# Altium PCB 2012_BALISE_CARTE_PRINCIPALE.PCBDOC (continued)
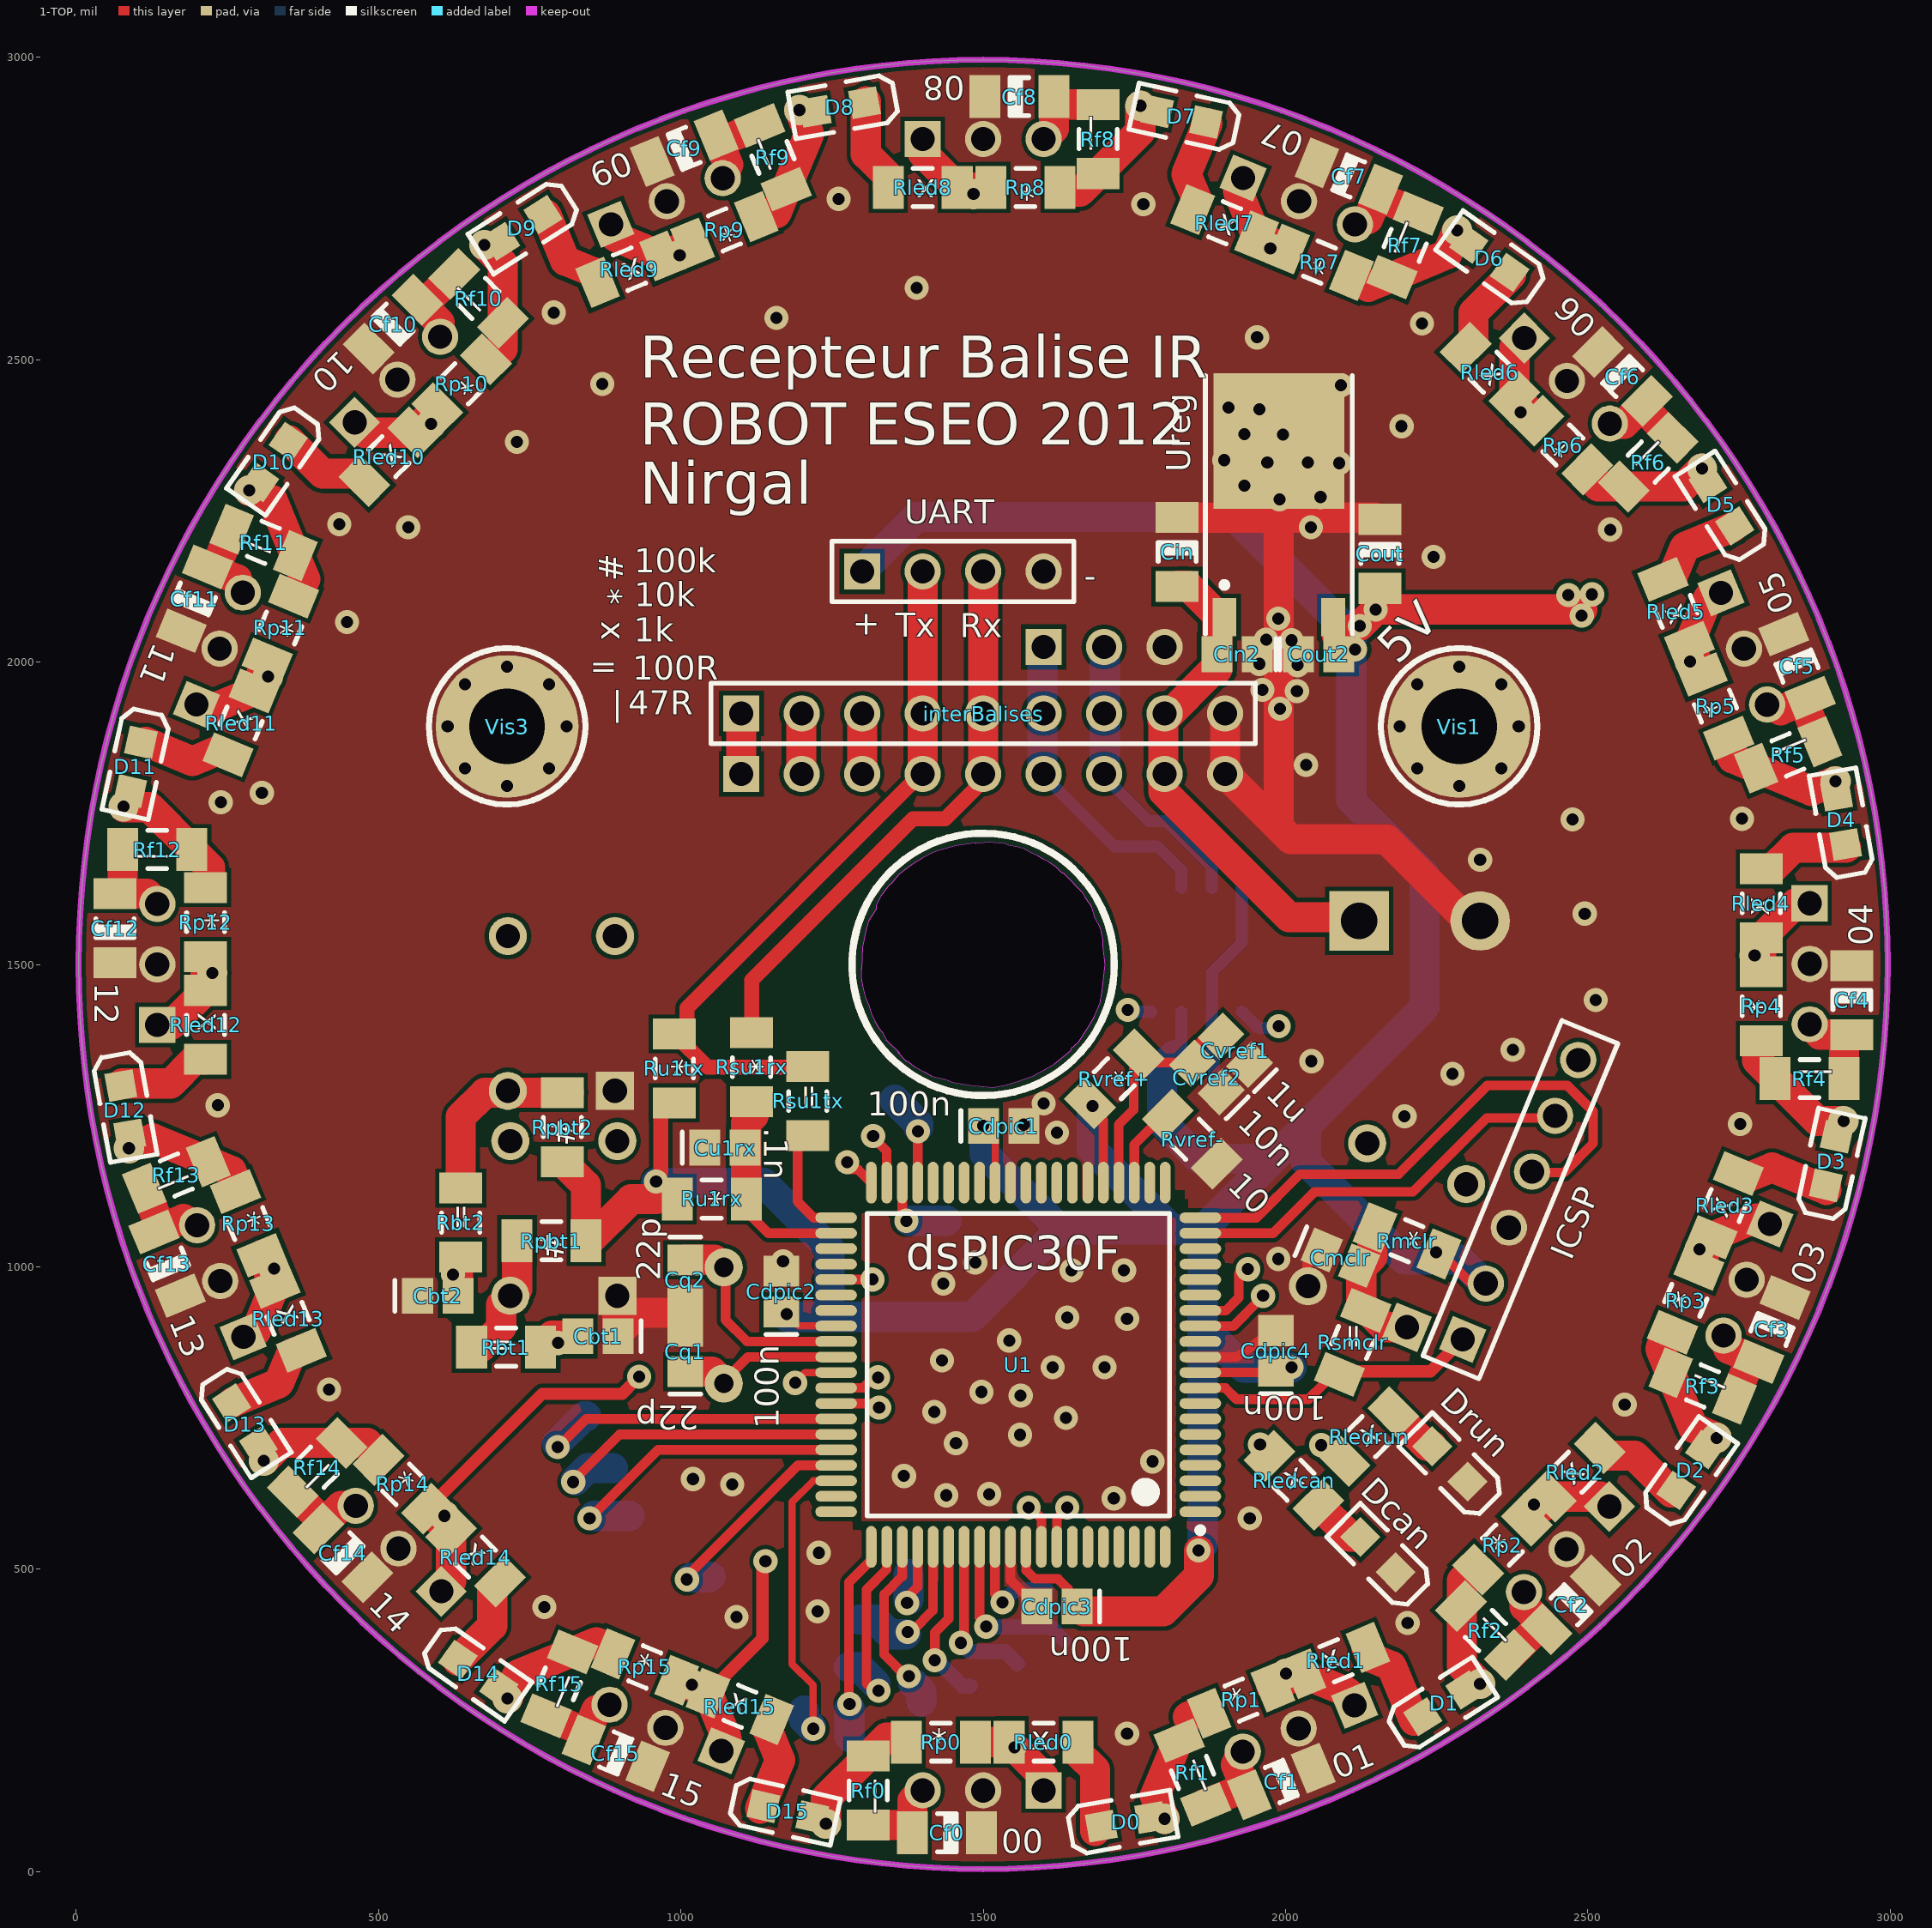
[diagram p0: 1-TOP view]
## Part data
BT1 BT2 SW1: "Switch tactil 6mm x 6mm Vertical"
CAN: "Header, 3-Pin"
Cbt1 Cbt2 Cdcan1 Cdcan2 Cdpic1 Cdpic2 Cdpic3 Cdpic4 Cin Cin2 Cmclr Cout Cout2 Cq1 Cq2 Ctsop0 Ctsop1 Ctsop2 Ctsop3 Ctsop4 Ctsop5 Ctsop6 Ctsop7 Ctsop8 Ctsop9 Ctsop10 Ctsop11 Ctsop12 Ctsop13 Ctsop14 Ctsop15 Cu1rx Cvref1 Cvref2: library part Capacitor, "Capacitor"
Cf0 Cf1 Cf2 Cf3 Cf4 Cf5 Cf6 Cf7 Cf8 Cf9 Cf10 Cf11 Cf12 Cf13 Cf14 Cf15: library part CONDENSATEUR, "Capacitor"
D0 D1 D2 D3 D4 D5 D6 D7 D8 D9 D10 D11 D12 D13 D14 D15 Dcan Drun: "Typical LED"
ICSP: "Header, 6-Pin"
interBalises interBalises2: "Header, 9-Pin"
Q: library part Quartz, "Crystal Oscillator"
Rbt1 Rbt2 Rmclr Rpbt1 Rpbt2 Rsmclr Rsu1rx Rsu1tx Ru1rx Ru1tx Rvref+ Rvref-: library part Resistor, "Resistor"
Rf0 Rf1 Rf2 Rf3 Rf4 Rf5 Rf6 Rf7 Rf8 Rf9 Rf10 Rf11 Rf12 Rf13 Rf14 Rf15 Rled2 Rp0 Rp1 Rp2 Rp3 Rp4 Rp5 Rp6 Rp7 Rp8 Rp9 Rp10 Rp11 Rp12 Rp13 Rp14 Rp15: library part RESISTANCE, "Resistor"
Rled0 Rled1 Rled3 Rled4 Rled5 Rled6 Rled7 Rled8 Rled9 Rled10 Rled11 Rled12 Rled13 Rled14 Rled15 Rledcan Rledrun: library part RESISTANCE_CMS_1206, "Resistor"
TSOP0 TSOP1 TSOP2 TSOP3 TSOP4 TSOP5 TSOP6 TSOP7 TSOP8 TSOP9 TSOP10 TSOP11 TSOP12 TSOP13 TSOP14 TSOP15: library part BARRETTE3, "Header, 3-Pin"
U1: "High-Performance, 16-bit Digital Signal Controllers"
UART: "Header, 4-Pin"
Ucan: "High Speed Can Transceiver"
Ureg: library part MC7805ACD2T, "Three-Terminal Positive Voltage Regulator"
Vis1 Vis3: library part "Vis M3 X 6mm _TORX_Tête 6mm", "Vis M3 X 6mm _TORX_Tête 6mm"

## Via types
v1: diameter 40, hole 20, 1-TOP to 4-BOT, 135 vias
v2: diameter 50, hole 20, 1-TOP to 4-BOT, 31 vias

## Nets (pads, with @x,y where several pads share a name; then routed paths per layer and width w, separated by ;. In a path a pad name is that pad's centre, name@x,y a point inside that pad or via, vN(x,y) a via of type N, cw(c..) or ccw(c..) an arc to the next point about the centre after c; other vN are vias at no path point)
BT1: BT1.3 Rbt1.2 Rpbt1.1 | length 209.5
  1-TOP w50: Rbt1.2 670,867 703,900 703,937 729,963 Rpbt1.1@729,1036
BT2: BT2.3 Rbt2.2 Rpbt2.1 | length 313.5
  1-TOP w50: Rbt2.2 636,1248 676,1288 Rpbt2.1@815,1288
C1RX: U1.72 Ucan.4 | length 1044.6
  1-TOP w16: v1@1576,604 1596.39,583.61 U1.72
  3-SIGNAL w25: v1(1575,602) 1798,825 1798,1367 v1@1739,1426
  4-BOT w20: v1@1750,1422 1750.36,1421.64 Ucan.4
  other v1: 1739,1425
C1TX: U1.73 Ucan.1 | length 1076
  1-TOP w16: U1.73 1621.98,583.98 v1@1638,600
  3-SIGNAL w20: v1@1641,605 1850,814 1850,1031 1989,1170 1989,1186 v1(1989,1398)
  4-BOT w20: Ucan.1 1954.64,1395 v1@1986,1395
  other v1: 1639,602
CAN_H: CAN.2 interBalises2.7 interBalises.7 Ucan.7 | length 479.4
  4-BOT w20: interBalises2.7@1701,1810 1774,1737 1802,1737 1878,1661 Ucan.7
  4-BOT w50: interBalises2.7@1701,1818 CAN.2@1701,2024
CAN_L: CAN.1 interBalises2.6 interBalises.6 Ucan.6 | length 532.3
  4-BOT w20: interBalises2.6@1600,1812 1717,1695 1789,1695 1828,1656 Ucan.6
  4-BOT w50: interBalises2.6@1598,1816 CAN.1@1598,2026
GND: B?.2 BT1.1 BT2.1 CAN.3 Cbt1.1 Cbt2.1 Cdcan1.1 Cdcan2.1 Cdpic1.2 Cdpic2.2 Cdpic3.2 Cdpic4.2 Cf0.1 Cf1.1 Cf2.1 Cf3.1 Cf4.1 Cf5.1 Cf6.1 Cf7.1 Cf8.1 Cf9.1 Cf10.1 Cf11.1 Cf12.1 Cf13.1 Cf14.1 Cf15.1 Cin2.1 Cin.1 Cmclr.1 Cout2.1 Cout.1 Cq1.2 Cq2.2 Ctsop0.2 Ctsop1.2 Ctsop2.2 Ctsop3.2 Ctsop4.2 Ctsop5.2 Ctsop6.2 Ctsop7.2 Ctsop8.2 Ctsop9.2 Ctsop10.2 Ctsop11.2 Ctsop12.2 Ctsop13.2 Ctsop14.2 Ctsop15.2 Cu1rx.1 Cvref1.1 Cvref2.1 Dcan.2 Drun.2 ICSP.3 interBalises2.9 interBalises.9 Rvref-.1 SW1.3 TSOP0.2 TSOP1.2 TSOP2.2 TSOP3.2 TSOP4.2 TSOP5.2 TSOP6.2 TSOP7.2 TSOP8.2 TSOP9.2 TSOP10.2 TSOP11.2 TSOP12.2 TSOP13.2 TSOP14.2 TSOP15.2 U1.11 U1.26 U1.31 U1.51 U1.70 UART.4 Ucan.2 Ucan.8 Ureg.4 Vis1.1 Vis3.1 | length 2514.8
  1-TOP w12: v1@1191,811 1205.2,825.2 U1.51
  1-TOP w16: U1.70 1545.2,481.8 Cdpic3.2@1578,449 ; U1.11 1918.8,850.8 ; Rvref-.1@1874,1155 Rvref-.1@1874,1165 ; SW1.3@2036,972 2036,1003.72 Cmclr.1 ; 1918.8,850.8 1969,886 1918.8,850.8
  1-TOP w20: Cvref1.1@1935.34,1334.34 Cvref1.1
  1-TOP w50: BT1.1 895,889 930,924 Cq2.2@1010,924 ; Cin.1 Cout.1@2147.91,2239.09 ; interBalises.9@1900,1899 1900,1816 2009,1707 2167,1707 B?.2@2296,1578 ; 1989,1734 Ureg.4@1989,2347.67
  4-BOT w20: Cdcan2.1@1878,1344 Ucan.2 ; Ucan.2@1879,1429 1879,1487 1928,1536 Ucan.8 ; Cdcan2.1 1881.46,1307.54 Cdcan1.1@1904,1285
  other v1: 1738,228 2202,411 1092,421 1226,430 774,437 1228,527 1941,584 1716,617 1439,622 1510,624 1085,640 1020,649 1369,654 1780,678 1455,708 1561,722 1637,750 1419,760 2561,772 1562,787 1497,793 418,797 1189,808 1615,834 1701,834 1432,845 1543,878 1738,914 1639,916 1434,972 1646,994 1733,994 1487,1007 1169,1009 1988,1013 1622,1222 1567,1235 2752,1236 2197,1249 234,1267 1600,1270 2276,1319 2043,1340 2376,1359 2513,1441 2495,1584 2322,1673 2475,1740 2755,1741 239,1768 307,1784 2034,1830 1991,1923 2019,1952 1962,1954 2020,1995 1957,1997 2010,2036 1968,2037 448,2066 1988,2072 2245,2174 2537,2219 549,2223 2042,2223 435,2228 1990,2269 2058,2273 1932,2292 2089,2329 1970,2330 2037,2330 1899,2334 729,2364 1996,2376 1932,2377 2192,2390 1957,2418 1906,2421 2092,2458 870,2460 1953,2537 2226,2560 1158,2569 790,2578 1390,2619 1765,2757 1261,2766
INT0: interBalises2.3 interBalises.3 U1.45 | length 1206.6
  1-TOP w16: U1.45 v1@1307.25,978.75
  1-TOP w50: interBalises2.3@1300,1816 interBalises.3@1300,1900
  3-SIGNAL w20: interBalises2.3@1300,1820 interBalises2.3 1300,1794 1237,1731 1237,1338 1307,1268 1418,1268 1446,1240 1446,1220 1317,1091
  3-SIGNAL w25: v1(1317,979) 1317,1091
LED0: U1.76
LED1: U1.77
LED2: U1.78
LED3: U1.79
LED4: U1.80
LED5: U1.1
LED6: U1.2
LED7: U1.3
LED8: U1.27
LED9: U1.28
LED10: U1.29
LED11: U1.30
LED12: U1.33
LED13: U1.34
LED14: U1.35
LED15: U1.36
LED_CAN: Rledcan.2 U1.14 | length 446.9
  1-TOP w16: U1.14 1901.57,927.57 1923,949 1923,989 1927,993 v1@1937,993
  3-SIGNAL w16: v1(1938,996) 1914,972 1914,751 v1@1959,706
  other v1: 1958,706
LED_RUN: Rledrun.2 U1.13 | length 381.8
  1-TOP w16: U1.13 1913.98,901.98 v1@1955,943
  3-SIGNAL w16: v1(1963,952) 1963,799 v1@2045,717
  other v1: 2059,705
MCLR: ICSP.1 Rsmclr.1 U1.9 | length 450.3
  1-TOP w16: U1.9 1900.39,799.61 1919,781 2038,781 Rsmclr.1@2064,807
  1-TOP w20: Rsmclr.1@2088,827 2240,827 ICSP.1
NetCf0_2: Cf0.2 Rf0.2 TSOP0.3 | length 133.9
  1-TOP w50: Rf0.2 1378.91,76.91 Cf0.2@1381,79 ; Cf0.2@1383,79 1383,117 TSOP0.3
NetCf1_2: Cf1.2 Rf1.2 TSOP1.3 | length 133.9
  1-TOP w50: Rf1.2@1865.88,111.12 1929.55,137.49 Cf1.2@1930.67,140.21 ; TSOP1.3@1927.18,198.3 1917.98,176.09 Cf1.2@1932.52,140.98
NetCf2_2: Cf2.2 Rf2.2 TSOP2.3 | length 133.9
  1-TOP w50: Rf2.2@2372.56,358.07 2421.28,406.79 Cf2.2@2421.28,409.75 ; TSOP2.3@2395.83,462.07 2395.83,438.03 Cf2.2@2422.7,411.16
NetCf3_2: Cf3.2 Rf3.2 TSOP3.3 | length 133.9
  1-TOP w50: TSOP3.3@2723.59,886.49 2732.79,864.27 Cf3.2@2767.9,849.73 ; Rf3.2@2741.89,781.49 2768.26,845.16 Cf3.2@2767.13,847.88
NetCf4_2: Cf4.2 Rf4.2 TSOP4.3 | length 133.9
  1-TOP w50: TSOP4.3 2884,1384 Cf4.2@2922,1384 ; Cf4.2@2922,1382 2924.09,1379.91 Rf4.2
NetCf5_2: Cf5.2 Rf5.2 TSOP5.3 | length 133.9
  1-TOP w50: TSOP5.3 2818.9,1920.5 Cf5.2@2854,1935.04 ; Cf5.2@2854.77,1933.2 2857.49,1932.07 Rf5.2
NetCf6_2: Cf6.2 Rf6.2 TSOP6.3 | length 133.9
  1-TOP w50: TSOP6.3 2560.5,2394.41 Cf6.2@2587.37,2421.28 ; Cf6.2@2588.79,2419.87 2591.74,2419.87 Rf6.2
NetCf7_2: Cf7.2 Rf7.2 TSOP7.3 | length 133.9
  1-TOP w50: TSOP7.3 2137.04,2732.97 Cf7.2@2151.58,2768.08 ; Cf7.2@2153.43,2767.31 2156.16,2768.44 Rf7.2
NetCf8_2: Cf8.2 Rf8.2 TSOP8.3 | length 133.9
  1-TOP w50: TSOP8.3 1617,2882 Cf8.2@1617,2920 ; Cf8.2@1619,2920 1621.09,2922.09 Rf8.2
NetCf9_2: Cf9.2 Rf9.2 TSOP9.3 | length 133.9
  1-TOP w50: Cf9.2@1063.83,2857.53 1078.37,2822.43 TSOP9.3 ; Cf9.2@1065.67,2858.3 1066.8,2861.03 Rf9.2
NetCf10_2: Cf10.2 Rf10.2 TSOP10.3 | length 133.9
  1-TOP w50: Cf10.2@574.36,2588.1 601.23,2561.23 TSOP10.3@601.23,2537.18 ; Cf10.2@575.77,2589.51 575.77,2592.46 Rf10.2@624.5,2641.19
NetCf11_2: Cf11.2 Rf11.2 TSOP11.3 | length 133.9
  1-TOP w50: Cf11.2@231.01,2151.54 266.11,2137 TSOP11.3 ; Cf11.2@231.77,2153.39 230.64,2156.11 Rf11.2
NetCf12_2: Cf12.2 Rf12.2 TSOP12.3 | length 133.9
  1-TOP w50: Rf12.2 76.91,1621.09 Cf12.2@79,1619 ; Cf12.2@79,1617 117,1617 TSOP12.3
NetCf13_2: Cf13.2 Rf13.2 TSOP13.3 | length 133.9
  1-TOP w50: Rf13.2@112.26,1130.95 138.64,1067.29 Cf13.2@141.36,1066.16 ; Cf13.2@142.13,1064.31 177.24,1078.85 TSOP13.3@199.45,1069.65
NetCf14_2: Cf14.2 Rf14.2 TSOP14.3 | length 133.9
  1-TOP w50: Rf14.2 407.01,579.31 Cf14.2@409.96,579.31 ; Cf14.2@411.38,577.9 438.25,604.77 TSOP14.3
NetCf15_2: Cf15.2 Rf15.2 TSOP15.3 | length 133.9
  1-TOP w50: Rf15.2 840.8,231.09 Cf15.2@843.52,232.22 ; Cf15.2@845.37,231.46 859.91,266.57 TSOP15.3
NetCmclr_2: Cmclr.2 Rmclr.1 Rsmclr.2 SW1.1 | length 218.6
  1-TOP w50: Rmclr.1@2144,1058 2144,1017.05 2125.47,998.53 2125.47,938.53 2164,900 SW1.1
NetCq1_1: Cq1.1 Q.2 U1.50 | length 256
  1-TOP w16: Q.2@1079,819 1110.8,850.8 U1.50
  1-TOP w50: Cq1.1 1051.46,826.54 Q.2@1066,812
NetCq2_1: Cq2.1 Q.1 U1.49 | length 356
  1-TOP w16: Q.1@1074,1000 1074,912 1109.61,876.39 U1.49
  1-TOP w50: Cq2.1 1055.54,1011.46 Q.1@1071,996
NetD0_2: D0.2 Rled0.1 | length 158.6
  1-TOP w50: Rled0.1 1657.09,195.91 1685,168 D0.2@1685,67
NetD1_2: D1.2 Rled1.1 | length 153.5
  1-TOP w50: Rled1.1@2134.08,370.59 2141,353.88 2175.47,339.61 D1.2@2213,249
NetD2_2: D2.2 Rled2.1 | length 147.4
  1-TOP w50: Rled2.1@2521.05,700.43 2533.84,687.64 2577.36,687.64 D2.2@2638,627
NetD3_2: D3.2 Rled3.1 | length 159
  1-TOP w50: Rled3.1@2748.06,1154.62 2764.77,1147.7 2804.9,1164.32 D3.2@2895,1127
NetD4_2: D4.2 Rled4.1 | length 154.5
  1-TOP w50: Rled4.1 2805.09,1658.09 2840,1693 D4.2@2927,1693
NetD5_2: D5.2 Rled5.1 | length 153.8
  1-TOP w50: Rled5.1 2641.1,2143.53 2660.56,2190.51 D5.2@2739,2223
NetD6_2: D6.2 Rled6.1 | length 151.4
  1-TOP w50: Rled6.1 2310.89,2532.42 2310.89,2577.89 D6.2@2373,2640
NetD7_2: D7.2 Rled7.1 | length 154.5
  1-TOP w50: Rled7.1 1853.62,2764.95 1836.2,2807 D7.2@1871,2891
NetD8_2: D8.2 Rled8.1 | length 157.3
  1-TOP w50: D8.2@1306,2927 1306,2840 1342.91,2803.09 Rled8.1
NetD9_2: D9.2 Rled9.1 | length 151
  1-TOP w50: D9.2@777,2740 808.46,2664.05 855.34,2644.63 Rled9.1
NetD10_2: D10.2 Rled10.1 | length 152.2
  1-TOP w50: D10.2@352,2367 407.38,2311.62 463.22,2311.62 Rled10.1@476.01,2298.83
NetD11_2: D11.2 Rled11.1 | length 147
  1-TOP w50: D11.2@115,1868 191.98,1836.12 234.13,1853.58 Rled11.1
NetD12_2: D12.2 Rled12.1 | length 154.5
  1-TOP w50: D12.2@76,1303 156,1303 195.91,1342.91 Rled12.1
NetD13_2: D13.2 Rled13.1 | length 152.7
  1-TOP w50: D13.2@259,776 335.01,807.48 355.03,855.83 Rled13.1@371.74,862.75
NetD14_2: D14.2 Rled14.1 | length 159.4
  1-TOP w50: D14.2@631,349 687.86,405.86 687.86,466.76 Rled14.1
NetD15_2: D15.2 Rled15.1 | length 159.4
  1-TOP w50: D15.2@1131,104 1164.21,184.18 1143.34,234.58 Rled15.1
NetDcan_1: Dcan.1 Rledcan.1 | length 87.4
  1-TOP w50: Rledcan.1 2107,554 Dcan.1@2120,554
NetDrun_1: Drun.1 Rledrun.1 | length 86.6
  1-TOP w50: Rledrun.1 2233.73,704 Drun.1@2242,704
PAN2: U1.18
PAN3: U1.17
PBT1: Cbt1.2 Rbt1.1 U1.52 | length 724.8
  1-TOP w16: U1.52 1301.61,799.61 v1@1320,818
  1-TOP w50: Rbt1.1 787.09,886 Cbt1.2@822,886
  3-SIGNAL w16: v1@799.22,873.14 ccw(c1500,1500) 925.32,755.83 ; 928,754 1253,754 v1@1320,821
  other v1: 1326,817 797,874
PBT2: Cbt2.2 Rbt2.1 U1.53 | length 972.6
  1-TOP w16: U1.53 v1@1317.98,774.02
  1-TOP w50: Cbt2.2 Rbt2.1@631.46,1010.46
  3-SIGNAL w16: v1@617.12,996.63 ccw(c1500,1500) 847.22,721.07 ; 848,720 1275,720 v1@1321,766
  other v1: 1328,767 623,987
PGC: ICSP.5 U1.19 | length 667.7
  1-TOP w16: U1.19 1979.52,1055.52 2048,1124 2211,1124 2333,1246 ICSP.5@2448,1246
PGD: ICSP.4 U1.20 | length 930.2
  1-TOP w16: U1.20 1951.61,1081.11 2023.5,1153 2187,1153 2334,1300 2466,1300 2509,1257 2509,1204 2461,1156 ICSP.4@2410,1156
PQEA: U1.16
PQEB: U1.15
RF7: U1.44
RF8: U1.43
RG2: U1.47
RG3: U1.46
SCK2: U1.6
SDI2: U1.7
SDO2: U1.8
TSOP0: Ctsop0.1 Rled0.2 Rp0.2 TSOP0.1 U1.58 | length 1016.8
  1-TOP w12: v1@1219,226 v1(1219,236) 1219,308 1184,343 1184,611 1219,646 U1.58@1256.75,646
  1-TOP w50: Rp0.2 1537,214 1540,217 1600,157 TSOP0.1 TSOP0.1@1600,132
  3-SIGNAL w16: v1@1216.71,235.18 ccw(c1500,1500) v1@1549.7,204.8
  4-BOT w50: Ctsop0.1 1203.46,251.54 Ctsop0.1@1215,240
  other v1: 1552,205
TSOP1: Ctsop1.1 Rled1.2 Rp1.2 TSOP1.1 U1.61 | length 1216.6
  1-TOP w16: v1@1278,278 1278,478 1314.89,514.89 U1.61
  1-TOP w50: Rp1.2@1977.02,305.53 2023.14,324.64 2024.76,328.56 2103.16,296.08 2111.96,274.83 TSOP1.1@2112.72,272.99
  3-SIGNAL w16: v1@1269.87,266.28 ccw(c1500,1500) v2@1986.53,343.14
  4-BOT w50: Ctsop1.1 v1@1279,269.93
  other v1: 1279,277
  other v2: 2001,327
TSOP2: Ctsop2.1 Rled2.2 Rp2.2 TSOP2.1 U1.62 | length 1658.1
  1-TOP w16: v1@1317,301 1307,311 1307,466 1340.48,499.48 U1.62
  1-TOP w50: Rp2.2@2400.84,580.22 2436.13,615.51 2436.13,619.76 2520.99,619.76 TSOP2.1@2538.66,602.08
  3-SIGNAL w16: v1@1319.86,288.32 ccw(c1500,1500) 2338.95,607.37 ; 2339,607 cw(c2373.56,570.23) v2@2410.54,604.57
  4-BOT w50: Ctsop2.1 1295,338 v1@1322,311
  other v1: 1327,299
  other v2: 2411,607
TSOP3: Ctsop3.1 Rled3.2 Rp3.2 TSOP3.1 U1.63 | length 2046.5
  1-TOP w16: U1.63 1366.07,488.07 1336,458 1336,359 v1@1372,323
  1-TOP w50: Rp3.2@2683.01,997.56 2702.11,1043.67 2700.48,1047.59 2778.88,1080.06 2800.13,1071.26 TSOP3.1@2801.97,1070.5
  3-SIGNAL w16: v1@1370.12,312.08 ccw(c1500,1500) 2584.2,997.47 ; 2580,987 cw(c2643.5,961.68) v2@2677.43,1021.03
  4-BOT w50: v1@1384.73,310.73 1398,297.46 Ctsop3.1
  other v1: 1377,323
  other v2: 2685,1029
TSOP4: Ctsop4.1 Rled4.2 Rp4.2 TSOP4.1 U1.66 | length 2405.7
  1-TOP w16: v1@1420,357 1420,395 1442.84,417.84 U1.66
  1-TOP w50: Rp4.2 2787,1538 2784,1541 2844,1601 TSOP4.1 TSOP4.1@2869,1601
  3-SIGNAL w16: v1@1419.91,337.76 ccw(c1500,1500) 2662.12,1418.2 ; 2661.04,1407.24 cw(c2762.6,1408.49) v2@2759,1510
  4-BOT w25: v1@1428,345 1466.54,306.46 Ctsop4.1
  other v1: 1420,349
  other v2: 2776,1515
TSOP5: Ctsop5.1 Rled5.2 Rp5.2 TSOP5.1 U1.67 | length 2776.9
  1-TOP w16: v1@1468.43,391.43 U1.67
  1-TOP w50: Rp5.2 2670.35,2025.66 2666.43,2027.28 2698.9,2105.68 TSOP5.1 TSOP5.1@2721.99,2115.24
  3-SIGNAL w16: v1@1464.83,365.55 ccw(c1500,1500) 2569.25,1880.68 ; 2569.04,1884.24 cw(c2670.6,1885.49) v2@2667,1987
  4-BOT w25: v1@1466,375 1477,364 1536.46,364 Ctsop5.1
  other v1: 1463,378
  other v2: 2669,2001
TSOP6: Ctsop6.1 Rled6.2 Rp6.2 TSOP6.1 U1.68 | length 3180.3
  1-TOP w16: v1@1494.02,419.98 U1.68
  1-TOP w50: TSOP6.1@2396.45,2537.25 TSOP6.1 2378.77,2519.57 2378.77,2434.72 2383.02,2434.72 Rp6.2
  3-SIGNAL w16: v1@1503,395 ccw(c1500,1500) 2320.02,2240.67 ; 2317,2244 cw(c2397.8,2305.55) v2@2394.2,2407.05
  4-BOT w25: v1@1510,404 1612.46,404 Ctsop6.1
  other v1: 1505,405
  other v2: 2389,2413
TSOP7: Ctsop7.1 Rled7.2 Rp7.2 TSOP7.1 U1.69 | length 3455.9
  1-TOP w16: v1@1519.61,458.39 U1.69
  1-TOP w50: TSOP7.1@1930.82,2802.16 TSOP7.1 1921.25,2779.06 1953.72,2700.67 1957.64,2702.29 Rp7.2
  3-SIGNAL w16: 1540.01,425.74 ccw(c1500,1500) 1938.82,2481.36 ; 1941,2481 cw(c1992.1,2568.78) v2@1976.45,2669.14
  4-BOT w25: v1@1534,447 1553,466 Ctsop7.1
  other v1: 1532,445
  other v2: 1975,2684
TSOP8: Ctsop8.1 Rled8.2 Rp8.2 TSOP8.1 U1.54 | length 3478.3
  1-TOP w16: v1@798,703 843.43,748.43 U1.54
  1-TOP w50: TSOP8.1@1400,2867 TSOP8.1 1400,2842 1460,2782 1463,2785 Rp8.2
  3-SIGNAL w16: v1@790.82,692.1 cw(c1500,1500) 1409.74,2571.2 ; 1407.33,2570.65 ccw(c1399.89,2681.32) v2@1476,2762
  4-BOT w50: v1@795,708 840,753 Ctsop8.1
  other v1: 796,702
  other v2: 1484,2774
TSOP9: Ctsop9.1 Rled9.2 Rp9.2 TSOP9.1 U1.55 | length 3096.9
  1-TOP w16: v1@824,648 898.84,722.84 U1.55
  1-TOP w50: TSOP9.1@883.63,2725.53 TSOP9.1 893.19,2702.43 971.59,2669.96 973.21,2673.88 Rp9.2
  3-SIGNAL w16: v1@816.32,631.9 cw(c1500,1500) 949.72,2458.23 ; 937,2451 ccw(c863.3,2581.17) v2@990.4,2660.06
  4-BOT w50: v1@826,647 846,667 Ctsop9.1
  other v1: 822,644
  other v2: 998,2673
TSOP10: Ctsop10.1 Rled10.2 Rp10.2 TSOP10.1 U1.56 | length 2717.1
  1-TOP w16: v1@853,588 962.25,697.25 U1.56
  1-TOP w50: TSOP10.1@458.39,2397.18 459.8,2395.76 476.07,2379.5 560.92,2379.5 560.92,2383.74 Rp10.2@596.21,2419.04
  3-SIGNAL w16: v2@592,2377 cw(c537,2285.09) 617.57,2214.5 ; 620.67,2217.64 ccw(c1500,1500) v1@841.25,575.73
  4-BOT w50: v1@856,588 Ctsop10.1
  other v1: 849,584
  other v2: 587,2394
TSOP11: Ctsop11.1 Rled11.2 Rp11.2 TSOP11.1 U1.57 | length 2363.2
  1-TOP w16: v1@1008.5,486.5 1193.66,671.66 U1.57
  1-TOP w50: TSOP11.1@196.93,1930.78 TSOP11.1 220.03,1921.21 298.42,1953.68 296.8,1957.6 Rp11.2
  3-SIGNAL w16: v2@320.66,1963.88 cw(c334.47,1898.54) 395.99,1872.56 ; 398.24,1878.61 ccw(c1500,1500) 922.8,488.04 ; 918.03,491.48 ccw(c967.48,555.02) 922.8,488.04 ; 927.26,485.51 cw(c1500,1500) 922.8,488.04 ; v1@994,479 cw(c967.48,555.02) 922.8,488.04
  4-BOT w50: v1@1018,486 1047.46,486 Ctsop11.1
  other v1: 1010,483
  other v2: 317,1976
TSOP12: Ctsop12.1 Rled12.2 Rp12.2 TSOP12.1 U1.64 | length 2102.3
  1-TOP w16: v1@1371,450 1391.66,470.66 U1.64
  1-TOP w50: TSOP12.1@132,1400 TSOP12.1 157,1400 217,1460 214,1463 Rp12.2
  3-SIGNAL w16: v2@226.1,1473.87 cw(c246.22,1415.43) 308,1417 ; 307.59,1421.3 ccw(c1500,1500) 1151.01,357.1 ; 1153,357 ccw(c1147.98,498.5) 1258.31,409.76 ; 1258,409 cw(c1345.86,335.46) v1@1364.41,448.53
  4-BOT w50: v1@1376.54,449.54 Ctsop12.1
  other v1: 1374,444
  other v2: 225,1486
TSOP13: Ctsop13.1 Rled13.2 Rp13.2 TSOP13.1 U1.65 | length 1742.4
  1-TOP w16: v1@1382,397 1417,432 1417,481.5 ; 1417.25,481.75 U1.65
  1-TOP w50: TSOP13.1@274.14,884.11 275.98,884.87 297.23,893.68 329.7,972.07 325.79,973.69 Rp13.2@306.68,1019.81
  3-SIGNAL w16: v2@333.5,996.44 cw(c349.89,948.86) 396,969 ; 396.43,968.24 ccw(c1500,1500) 1205.03,311.04 ccw(c1200.64,405.79) 1273.37,344.91 ; 1277,347 cw(c1361.45,276.32) v1@1372.56,385.88
  4-BOT w50: Ctsop13.1 1321.46,416.54 1346,392 v1@1372,392
  other v1: 1375,396
  other v2: 327,997
TSOP14: Ctsop14.1 Rled14.2 Rp14.2 TSOP14.1 U1.37 | length 1413.9
  1-TOP w16: U1.37 v1@1391.66,1221.66
  1-TOP w20: Rp14.2 770.68,790 903,790 v1@924,811
  1-TOP w50: Rp14.2 615.73,564.46 619.97,564.46 619.97,479.61 TSOP14.1 TSOP14.1@602.3,461.93
  3-SIGNAL w20: v1(931,818) 1026,913 1076,913 1127,964 1200,964 1272,1036 1272,1109 1387,1224 v1(1392,1224) v1@1392,1227
  4-BOT w50: Ctsop14.1@1353.46,1276 1393,1236.46 v1@1393,1231
  other v2: 609,588
TSOP15: Ctsop15.1 Rled15.2 Rp15.2 TSOP15.1 U1.38 | length 1186.7
  1-TOP w16: v1@1366.07,1081.93 U1.38
  1-TOP w20: Rled15.2 Rled15.2 1135,385.21 v1@1135,509
  1-TOP w50: Rp15.2 1016.97,306.5 1039.31,297.25 1043.17,298.85 1043.23,298.87 Rled15.2 ; Rled15.2 1075.7,220.48 TSOP15.1 TSOP15.1@1066.14,197.38
  3-SIGNAL w20: v1@1140,514 1373,747 v1@1373,1070
  4-BOT w50: v1@1378,1076 Ctsop15.1
  other v1: 1140,513 1373,1076
  other v2: 1018,309
U1RX: Cu1rx.2 Rsu1rx.2 Ru1rx.1 U1.42 | length 313.9
  1-TOP w16: Ru1rx.1@1103,1097 1144.48,1055.52 U1.42
  1-TOP w50: Ru1rx.1 1108.09,1238.09 Rsu1rx.2@1120,1250
U1RX_C: interBalises2.5 interBalises.5 Rsu1rx.1 UART.3 | length 943.8
  1-TOP w25: Rsu1rx.1 1117,1474 1384,1741 1437,1741 interBalises2.5@1503,1807
  1-TOP w50: interBalises2.5@1500,1817 1500,1900 UART.3
U1TX: Rsu1tx.2 U1.41 | length 186
  1-TOP w16: Rsu1tx.2@1193,1219 1193,1108 1219.89,1081.11 U1.41
U1TX_C: interBalises2.4 interBalises.4 Rsu1tx.1 Ru1tx.1 UART.2 | length 1153.1
  1-TOP w25: Ru1tx.1 1044.09,1330 Rsu1tx.1@1191,1330 ; Ru1tx.1@1010,1384 1010,1428 1397,1815 interBalises2.4
  1-TOP w50: interBalises2.4@1400,1816 1400,1900 UART.2
U2RX: interBalises2.2 interBalises.2 U1.39 | length 828.5
  1-TOP w16: v1@1320,1212 1340.48,1191.52 U1.39
  1-TOP w50: interBalises2.2@1199,1813 interBalises.2@1199,1897
  3-SIGNAL w20: interBalises2.2@1189,1814 1189,1325 1298,1216 v1(1318,1216)
U2TX: interBalises2.1 interBalises.1 U1.40 | length 841.2
  1-TOP w16: v1@1280,1161 1293.07,1161 U1.40
  1-TOP w50: interBalises2.1@1100,1814 interBalises.1@1100,1898
  3-SIGNAL w20: interBalises2.1@1103,1815 1103,1345 v1(1275,1173)
VCC: B?.1 Cin2.2 Cin.2 interBalises2.8 interBalises.8 Ureg.1 | length 801
  1-TOP w50: interBalises.8@1797,1903 1882,1988 1887.54,1988 1887.54,2077.46 1839,2126 Cin.2@1822,2126 ; interBalises.8@1798,1902 1798,1786 2006,1578 B?.1@2096,1578
VDD: Cdcan1.2 Cdcan2.2 Cdpic1.1 Cdpic2.1 Cdpic3.1 Cdpic4.1 Cout2.2 Cout.2 D0.1 D1.1 D2.1 D3.1 D4.1 D5.1 D6.1 D7.1 D8.1 D9.1 D10.1 D11.1 D12.1 D13.1 D14.1 D15.1 ICSP.2 Rf0.1 Rf1.1 Rf2.1 Rf3.1 Rf4.1 Rf5.1 Rf6.1 Rf7.1 Rf8.1 Rf9.1 Rf10.1 Rf11.1 Rf12.1 Rf13.1 Rf14.1 Rf15.1 Rmclr.2 Rp0.1 Rp1.1 Rp2.1 Rp3.1 Rp4.1 Rp5.1 Rp6.1 Rp7.1 Rp8.1 Rp9.1 Rp10.1 Rp11.1 Rp12.1 Rp13.1 Rp14.1 Rp15.1 Rpbt1.2 Rpbt2.2 Ru1rx.2 Ru1tx.2 Rvref+.2 U1.10 U1.25 U1.32 U1.48 U1.71 UART.1 Ucan.3 Ureg.3 | length 19502
  1-TOP w12: Cdpic2.1@1179,918 1195.02,901.98 U1.48 ; Cdpic1.1 1520,1213.54 U1.32@1520,1152
  1-TOP w16: U1.71 1571,536.61 1571,498 1585,484 1623.61,484 1640,467.61 Cdpic3.1@1640,448 ; Rvref+.2@1685,1256 1698.75,1242.25 U1.25 ; U1.10 Cdpic4.1@1994.8,825.2 ; Rmclr.2@2258,1022 2307.61,972.39 ICSP.2
  1-TOP w25: v1@967,1156 Ru1tx.2@967,1270.91
  1-TOP w50: v2@79,1760 121.09,1760 Rf12.1 221,1660.09 Rp12.1@221,1629 ; D12.1@87.4,1196.42 126.29,1212.53 217.75,1174.65 256.83,1158.46 Rp13.1@268.73,1129.74 ; D10.1@285.84,2283.61 324.61,2267.55 Rf11.1 378.69,2137.01 Rp11.1@366.79,2108.29 ; v2@310.26,679.02 340.02,708.78 481.32,708.78 Rp14.1@503.3,686.79 ; v2@675.47,2689.21 705.23,2659.45 705.23,2518.15 Rp10.1@683.25,2496.17 ; D14.1@713.26,286.18 729.36,325.06 Rf15.1 859.91,379.14 Rp15.1@888.63,367.24 ; Rpbt2.2 843,1134.91 Rpbt1.2@843,1037 ; Rpbt1.2@846.04,1040.04 918,1112 959,1112 ; Rp9.1@1129.25,2730.94 1157.97,2742.83 Rf9.1 1212.05,2873.38 v2@1195.94,2912.26 ; v2(1240,79) 1240,121.09 Rf0.1 1339.91,221 Rp0.1@1371,221 ; Rp8.1@1629,2778 1660.09,2778 Rf8.1 1760,2877.91 v2(1760,2920) ; Cdpic3.1@1661,435 1666,430 1798,430 1857,489 v1@1857,530 ; D0.1@1800.08,87.04 1784.3,125.14 Rf1.1@1822.19,216.6 ; 1838.37,255.68 Rp1.1@1867.1,267.58 ; Ureg.3@2085,2045 v1(2123,2060) v1@2149,2086 ; Rp7.1@2108.33,2632.3 2137.05,2620.4 Rf7.1 2267.59,2674.47 v2@2283.7,2713.36 ; v1(2149,2087) 2490,2087 v1@2491,2087 ; Rp2.1@2313.8,503.08 2291.82,481.1 2291.82,339.8 v2@2321.58,310.04 ; Rp6.1@2495.45,2312.39 2517.43,2290.4 2658.73,2290.4 v2@2688.49,2320.16 ; Rp3.1@2632.11,892.99 2620.22,864.27 2636.41,825.18 2636.68,824.53 2674.29,733.72 v2@2713.17,717.62 ; Rp5.1@2727.4,1869.62 2739.3,1840.9 Rf5.1 2869.84,1786.82 D4.1@2908.73,1802.93 ; Rp4.1@2780,1372 2780,1340.91 Rf4.1 2879.91,1241 v2@2922,1241
  3-SIGNAL w50: v1@2496,2093 2552,2093 2730.87,2271.87 2733,2274
  3-SIGNAL w60: 789.68,232.62 cw(c1500,1500) 2730.87,2271.87 cw(c1500,1500) 1182.37,82.28
  4-BOT w20: Cdcan2.2@1828,1352 Ucan.3
  4-BOT w50: v1@959,1139 1137,1139 1246,1030 1246,917 ; v1@1176,917 1246,917 ; UART.1@1302,2153 1389,2240 1916,2240 v1@2109,2047 ; v1@1502,1233 1502,1187 1627,1062 ; v1@1680,1266 1680,1194 1812,1062 ; Cdcan2.2@1816,1350 1796,1330 1796,1239 1856.5,1178.5 1979.5,1178.5 ; v1@1863,540 1863,901 ; v1@2010,833 1931,833 1863,901 ; 2085,2045 v1@2109,2047 ; v1@2109,2051 v1@2109,2047 ; ICSP.2@2323,978 2289,1012 2196,1012 2034,1174 2034,1233 ; 1246,917 1482,917 1627,1062 ; 1627,1062 1812,1062 ; 1812,1062 1863,1062 ; 1863,901 1863,1062 ; 1863,1062 1979.5,1178.5 ; 1979.5,1178.5 2034,1233 ; 2034,1233 2230,1429 2230,1650 2109,1771 v1@2109,2047
  other v1: 1856,531 2010,834 1175,922 2249,1024 959,1141 1500,1233 1681,1266 2115,2021 2490,2077 2468,2111 2507,2112
  other v2: 1800,87 713,286 2322,310 310,679 2713,717 87,1196 2923,1241 78,1761 2910,1803 286,2284 2689,2320 675,2690 2284,2714 1196,2913
VREF+: Cvref1.2 Cvref2.2 Rvref+.1 U1.24 | length 352.9
  1-TOP w16: U1.24 1724.34,1235.34 1749,1260 1749,1338 1825,1338 Cvref1.2@1873,1386
VREF-: Rvref-.2 U1.23 | length 130.7
  1-TOP w16: U1.23 1749.93,1201.93 Rvref-.2@1798,1250
pads on no net: BT1.2 BT1.4 BT2.2 BT2.4 ICSP.6 SW1.2 SW1.4 U1.4 U1.5 U1.12 U1.21 U1.22 U1.59 U1.60 U1.74 U1.75 Ucan.5
copper on no net: | length 6817.3
  1-TOP w12: 1717,1500 ccw(c1500,1500) 1717,1500
  2-GND w12: 1717,1500 ccw(c1500,1500) 1717,1500
  3-SIGNAL w12: 1717,1500 ccw(c1500,1500) 1717,1500 ; 1717,1500 ccw(c1500,1500) 1717,1500
  4-BOT w12: 1717,1500 ccw(c1500,1500) 1717,1500

## Polygon pours and split planes (outlines as drawn)
GND on 1-TOP "1-GND" (solid, remove dead copper, pour order 0): 456,2680 721,2874 1023,3008 1345,3076 1677,3076 1996,3008 2296,2875 2563,2681 2783,2437 2949,2150 3051,1836 3085,1511 3051,1185 2948,867 2785,585 2563,339 2296,145 1997,12 1674,-57 1344,-56 1024,12 722,146 455,340 236,584 70,871 -31,1182 -65,1509 -31,1837 71,2151 235,2434
GND on 2-GND "2-GND" (solid, remove dead copper, pour order 0): 456,2680 721,2874 1023,3008 1345,3076 1677,3076 1996,3008 2296,2875 2563,2681 2783,2437 2949,2150 3051,1836 3085,1511 3051,1185 2948,867 2785,585 2563,339 2296,145 1997,12 1674,-57 1344,-56 1024,12 722,146 455,340 236,584 70,871 -31,1182 -65,1509 -31,1837 71,2151 235,2434
GND on 3-SIGNAL "3-GND" (solid, remove dead copper, pour order 0): 456,2680 721,2874 1023,3008 1345,3076 1677,3076 1996,3008 2296,2875 2563,2681 2783,2437 2949,2150 3051,1836 3085,1511 3051,1185 2948,867 2785,585 2563,339 2296,145 1997,12 1674,-57 1344,-56 1024,12 722,146 455,340 236,584 70,871 -31,1182 -65,1509 -31,1837 71,2151 235,2434
GND on 4-BOT "4-GND" (solid, remove dead copper, pour order 0): 456,2680 721,2874 1023,3008 1345,3076 1677,3076 1996,3008 2296,2875 2563,2681 2783,2437 2949,2150 3051,1836 3085,1511 3051,1185 2948,867 2785,585 2563,339 2296,145 1997,12 1674,-57 1344,-56 1024,12 722,146 455,340 236,584 70,871 -31,1182 -65,1509 -31,1837 71,2151 235,2434

## Keep-outs
Keep-Out Layer:
  the board outline again, w10

## Other copper
1-TOP:
  pour cut-out: 1299,1126.5 1299,565 1284,565 1284,1126.5
  pour cut-out: 1834,1127.5 1834,558.5 1819,558.5 1819,1127.5
  pour cut-out: 1837,564.5 1285,564.5 1285,579.5 1837,579.5
  pour cut-out: 1839.5,1088 1270.5,1088 1270.5,1112 1839.5,1112
4-BOT:
  pour cut-out: 1955,1669 1759,1669 1759,1684 1955,1684
  pour cut-out: 1759,1416 1759,1684.99 1774,1684.99 1774,1416
  pour cut-out: 1946,1397 1946,1683 1961,1683 1961,1397

## Silkscreen, mask and mechanical layers (free items; w line width, h text height)
Top Overlay:
  circle w12: c1500,1500 r217
  text "08" at 1470,2969 h40 r180
  text "|" at 1688,2889 h40 r180
  text "07" at 2034.52,2869.6 h40 r157.5
  text "|" at 1141.28,2856.06 h40 r202.5
  text "09" at 909.26,2846.55 h40 r202.5
  text "*" at 1586,2803 h40 r180
  text "x" at 1421,2798 h40 r180
  text "*" at 1079.96,2737.58 h40 r202.5
  text "x" at 1923.82,2730.37 h40 r157.5
  text "|" at 2205.32,2712.27 h40 r157.5
  text "*" at 2078.17,2671.85 h40 r157.5
  text "x" at 929.43,2669.82 h40 r202.5
  text "|" at 646.48,2616.38 h40 r225
  text "06" at 2518.07,2559.87 h40 r135
  text "10" at 435.76,2518.8 h40 r225
  text "*" at 635.17,2483.44 h40 r225
  text "x" at 2362.51,2473.61 h40 r135
  text "Recepteur Balise IR" at 932,2447 h120
  text "x" at 522.03,2363.24 h40 r225
  text "*" at 2482.72,2360.47 h40 r135
  text "|" at 2615.66,2349.16 h40 r135
  text "ROBOT ESEO 2012" at 932,2336 h120
  text "Nirgal" at 932,2238 h120
  text "|" at 286.82,2205.27 h40 r247.5
  text "#" at 865,2179 h40 r270
  text "100k" at 923,2148 h40
  text "-" at 1667,2123 h40
  text "*" at 863,2122 h40 r270
  text "10k" at 923,2092 h40
  text "05" at 2843.02,2089.61 h40 r112.5
  text "*" at 327.24,2078.13 h40 r247.5
  text "x" at 2666.28,2069.44 h40 r112.5
  text "x" at 869,2068 h40 r270
  text "+" at 1284,2045 h40
  text "Tx" at 1355,2042 h40
  text "Rx" at 1461,2041 h40
  text "11" at 129.48,2034.48 h40 r247.5
  text "1k" at 922,2034 h40
  text "=" at 895,2008 h40 r180
  text "5V" at 2185,1994 h56.25 r45
  text "100R" at 920,1971 h40
  text "x" at 268.71,1923.77 h40 r247.5
  text "*" at 2734.05,1918.91 h40 r112.5
  text "47R" at 913,1913 h40
  text "|" at 886,1912 h40
  text "|" at 2852.53,1857.59 h40 r112.5
  text "|" at 110,1688 h40 r270
  text "*" at 196,1586 h40 r270
  text "x" at 2800,1580 h40 r90
  text "04" at 2971,1531 h40 r90
  text "12" at 30,1470 h40 r270
  text "x" at 201,1421 h40 r270
  text "*" at 2805,1415 h40 r90
  text "*" at 969,1344 h40 r270
  text "*" at 1097,1344 h40 r270
  text "*" at 1697,1325 h40 r270
  text "|" at 2891,1313 h40 r90
  text "1u" at 1965,1284 h40 r315
  text "=" at 1229,1258 h40 r90
  text "100n" at 1308,1250 h40
  text "#" at 785,1245 h40 r270
  text "10n" at 1918,1236 h40 r315
  text ".1n" at 1138,1230 h40 r270
  text "|" at 143.6,1141.77 h40 r292.5
  text "10" at 1902,1132 h40 r315
  text "*" at 1030,1126 h40 r270
  text "*" at 262.09,1080.44 h40 r292.5
  text "x" at 2730.19,1077.5 h40 r67.5
  text "*" at 2184,1060 h40 r270
  text "=" at 654,1059 h40 r90
  text "#" at 767,1057 h40 r270
  text "dsPIC30F" at 1372,995 h56.25
  text "22p" at 966,977 h40 r90
  text "03" at 2869.42,966.79 h40 r67.5
  text "x" at 329.85,929.92 h40 r292.5
  text "*" at 2671.67,923.15 h40 r67.5
  text "13" at 153.11,909.75 h40 r292.5
  text "=" at 724,887 h40 r180
  text "=" at 2130,862 h40 r90
  text "|" at 2712.09,796 h40 r67.5
  text "100n" at 2068,786 h40 r180
  text "22p" at 1030,770 h40 r180
  text "100n" at 1162,732 h40 r90
  text "x" at 2130.92,700.7 h40 r22.5
  text "|" at 383.09,650.02 h40 r315
  text "*" at 516.03,638.71 h40 r315
  text "x" at 2475.02,636.02 h40 r45
  text "x" at 2004.92,629.7 h40 r22.5
  text "x" at 636.24,525.57 h40 r315
  text "*" at 2361.89,515.81 h40 r45
  text "02" at 2561.29,480.46 h40 r45
  text "14" at 480.67,439.31 h40 r315
  text "100n" at 1748,387 h40 r180
  text "|" at 2350.57,382.88 h40 r45
  text "x" at 2066.92,328.7 h40 r22.5
  text "*" at 918.79,327.69 h40 r337.5
  text "|" at 791.64,287.27 h40 r337.5
  text "x" at 1073.14,269.16 h40 r337.5
  text "*" at 1916.39,260.94 h40 r22.5
  text "x" at 1579,201 h40
  text "*" at 1414,196 h40
  text "01" at 2087.08,151.96 h40 r22.5
  text "|" at 1855.06,142.45 h40 r22.5
  text "15" at 962.43,129.93 h40 r337.5
  text "|" at 1312,110 h40
  text "00" at 1530,30 h40
Bottom Overlay:
  circle w12: c1500,1500 r217
  text "UART1" at 1525,2230 h40
  text "CAN" at 1843,2091 h60
  text "-" at 1813,1938 h40
  text "CL" at 1629,1927 h40
  text "CH" at 1733,1925 h40
  text "BT_2" at 651,1499 h60 r90
  text "-" at 2317,1355 h60
  text "+" at 2099,1352 h60
  text "BT_1" at 657,1222 h60 r90
  text "Reset" at 2083,1209 h40 r67.5
Mechanical 15:
  circle w4: c1500,1500 r1366
  circle w10: c1500,1500 r275.59
  lines w4: -56,1500 3054,1500 ; 63.34,905.19 2936.61,2095.33 ; 63.74,2095.3 2937,905.15 ; 400.04,400.35 2599.15,2599.45 ; 400.55,2600.15 2599.65,401.04 ; 904.67,2936.61 2094.81,63.34 ; 905.15,63 2095.3,2936.26 ; 1500,-171 1500,3085
Drill Drawing:
  circle w10: c1500,1500 r201.56

## Dimensions
1500,3085 to 2287.4,1893.7 on Mechanical 15
3054,1500 to 2287.4,1893.7 on Mechanical 15
2287.4,1893.7 to 4,1500 on Mechanical 15
2287.4,1893.7 to 1500,4 on Mechanical 15
712.6,1893.7 to 1500,4 on Mechanical 15
712.6,1893.7 to 4,1500 on Mechanical 15
1500,1500 to 1424,1523 on Mechanical 15
1500,1500 to 2898,192 on Mechanical 15